# Altium PCB project_pankov_control_board.PcbDoc (part 2 of 2)
Units mm, origin at the board's own origin, x right, y up, seen from the top; angles counter-clockwise.
Board outline 90 x 90 mm, 2 copper layers (Top Layer, Bottom Layer), stack 1.536 mm thick; 103 components, 103 nets, 429 pads, 633 vias.
Unrouted connection lines stored in the file: 47.
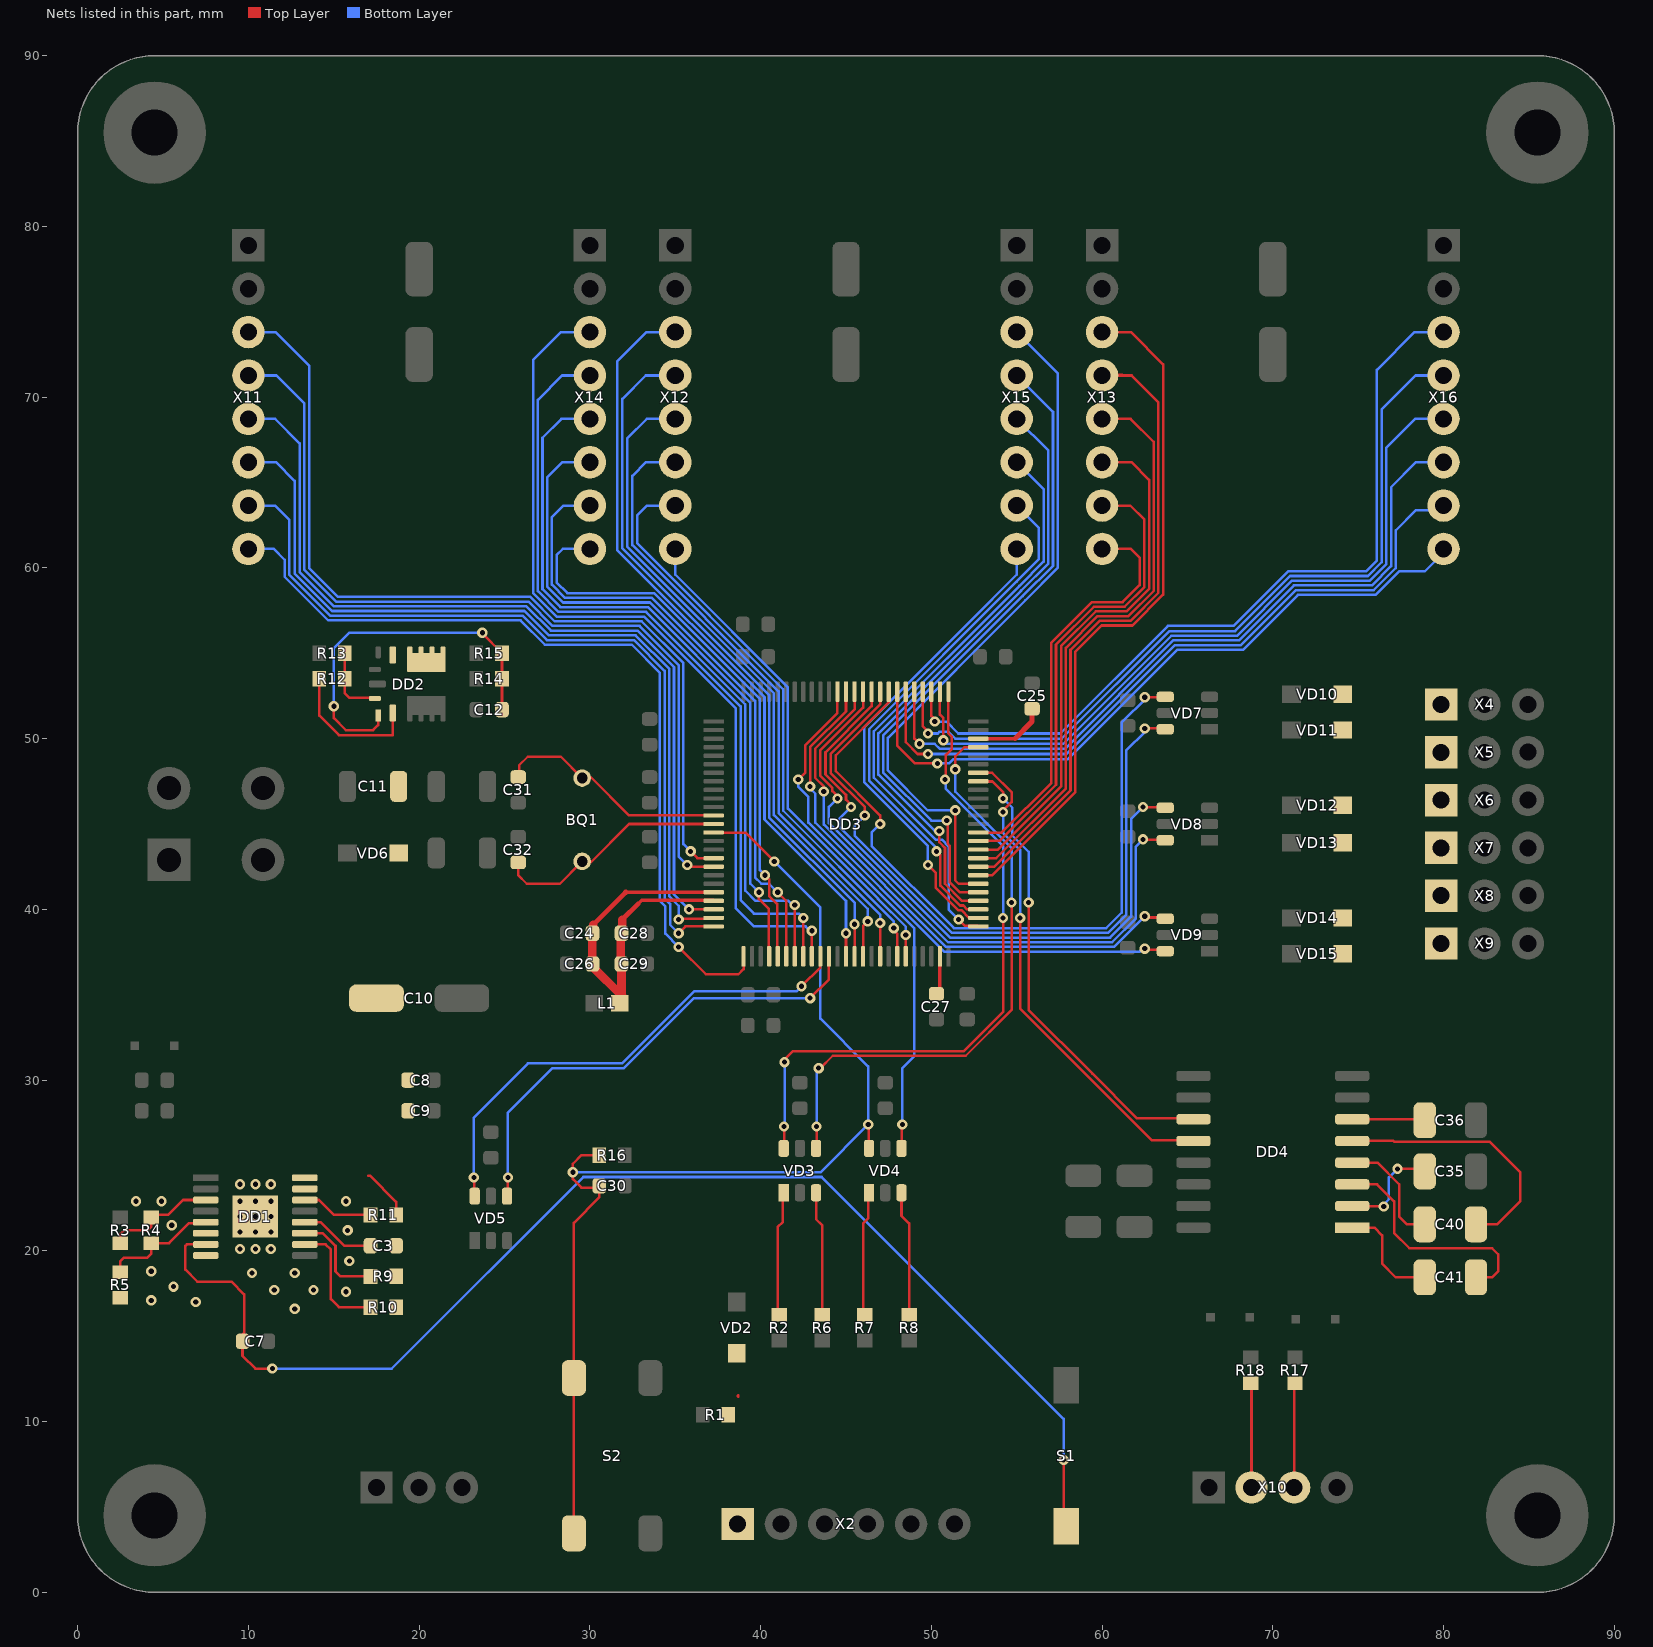
[diagram p2: the nets of this part, all layers, seen from the top]

## Via types
v1: diameter 0.6, hole 0.3, Top Layer to Bottom Layer, tented both sides, 613 vias
v2: diameter 0.6, hole 0.3, Top Layer to Bottom Layer, 20 vias

## Nets (pads, with @x,y where several pads share a name; then routed paths per layer and width w, separated by ;. In a path a pad name is that pad's centre, name@x,y a point inside that pad or via, vN(x,y) a via of type N, cw(c..) or ccw(c..) an arc to the next point about the centre after c; other vN are vias at no path point) (continued)
MCU_DEV1_BIN1: DD3.25 X11.7 | length 48.2
  Top Layer w0.15: v1(35.2,38.6) 35.6,39 DD3.25@37.25,39
  Bottom Layer w0.15: X11.7@10,63.65 11.55,63.65 12.4,62.8 12.4,59.589 14.789,57.2 26.055,57.2 27.48,55.775 32.569,55.775 34.375,53.969 34.375,40.647 34.7,40.322 34.7,39.1 v1(35.2,38.6)
MCU_DEV1_BIN2: DD3.26 X11.8 | length 49.5
  Top Layer w0.15: v1(35.2,37.8) 36.8,36.2 38.7,36.2 39,36.5 DD3.26@39,37.25
  Bottom Layer w0.15: X11.8@10,61.11 11.49,61.11 12.125,60.475 12.125,59.475 14.675,56.925 25.942,56.925 27.367,55.5 32.455,55.5 34.1,53.856 34.1,40.5 34.425,40.175 34.425,38.575 v1(35.2,37.8)
MCU_DEV1_DIR/AIN2: DD3.24 X11.6 | length 49.8
  Top Layer w0.15: v1(35.2,39.4) 35.25,39.45 37.2,39.45 DD3.24@37.25,39.5
  Bottom Layer w0.15: X11.6@10,66.19 11.61,66.19 12.7,65.1 12.7,59.678 14.903,57.475 26.169,57.475 27.594,56.05 32.683,56.05 34.65,54.083 34.65,40.761 35.2,40.211 v1(35.2,39.4)
MCU_DEV1_nFAULT: DD3.33 X14.4 | length 47.2
  Top Layer w0.15: DD3.33@42.5,37.25 v1(42.5,39.5)
  Bottom Layer w0.15: X14.4@30,71.27 28.37,71.27 26.948,69.848 26.948,58.641 28.164,57.425 33.286,57.425 38.825,51.886 38.825,40.536 39.611,39.75 42.25,39.75 v1(42.5,39.5)
MCU_DEV1_nSLEEP: DD3.17 X11.3 | length 53.2
  Top Layer w0.15: v1(35.9,43.4) 36.3,43 DD3.17@37.25,43
  Bottom Layer w0.15: X11.3@10,73.81 11.59,73.81 13.55,71.85 13.55,59.995 15.245,58.3 26.511,58.3 27.936,56.875 33.025,56.875 35.475,54.425 35.475,43.825 v1(35.9,43.4)
MCU_DEV1_nSTALL: DD3.34 X14.3 | length 50.5
  Top Layer w0.15: DD3.34@43,37.25 v1(43,38.75)
  Bottom Layer w0.15: X14.3@30,73.81 28.31,73.81 26.673,72.173 26.673,58.527 28.05,57.15 33.172,57.15 38.55,51.772 38.55,40.061 39.611,39 42.628,39 42.878,38.75 v1(43,38.75)
MCU_DEV1_RESET: DD3.18 X11.4 | length 51.4
  Top Layer w0.15: v1(35.7,42.6) 35.8,42.5 DD3.18@37.25,42.5
  Bottom Layer w0.15: X11.4@10,71.27 11.63,71.27 13.275,69.625 13.275,59.881 15.131,58.025 26.397,58.025 27.822,56.6 32.911,56.6 35.2,54.311 35.2,43.1 v1(35.7,42.6)
MCU_DEV1_STEP/AIN1: DD3.23 X11.5 | length 51.4
  Top Layer w0.15: v1(35.8,40) DD3.23@37.25,40
  Bottom Layer w0.15: X11.5@10,68.73 11.57,68.73 13,67.3 13,59.767 15.017,57.75 26.283,57.75 27.708,56.325 32.797,56.325 34.925,54.197 34.925,40.875 v1(35.8,40)
MCU_DEV2_BIN1: DD3.44 X12.7 | length 34.6
  Top Layer w0.15: v1(47.8,38.9) 47.8,38.778 48,38.578 DD3.44@48,37.25
  Bottom Layer w0.15: X12.7@35,63.65 33.35,63.65 32.764,63.064 32.764,61.447 41.325,52.886 41.325,45.775 47.8,39.3 v1(47.8,38.9)
MCU_DEV2_BIN2: DD3.45 X12.8 | length 29.5
  Top Layer w0.15: DD3.45@48.5,37.25 v1(48.5,38.5)
  Bottom Layer w0.15: X12.8@35,61.11 35,59.6 41.6,53 41.6,45.9 46.875,40.625 46.875,40.614 48.5,38.989 v1(48.5,38.5)
MCU_DEV2_DIR/AIN2: DD3.42 X12.6 | length 37
  Top Layer w0.15: DD3.42@47,37.25 v1(47,39.2)
  Bottom Layer w0.15: X12.6@35,66.19 33.29,66.19 32.489,65.389 32.489,61.333 41.05,52.772 41.05,45.639 47,39.689 v1(47,39.2)
MCU_DEV2_nFAULT: DD3.55 X15.4 | length 38.7
  Top Layer w0.15: v1(50.9,45.2) 50.963,45.137 50.963,43.833 51.075,43.721 51.075,41.614 51.689,41 DD3.55@52.75,41
  Bottom Layer w0.15: v1(50.9,45.2) 50,45.2 47.175,48.025 47.175,50.175 55.35,58.35 57.125,60.125 57.125,69.145 X15.4@55,71.27
MCU_DEV2_nSLEEP: DD3.38 X12.3 | length 44.5
  Top Layer w0.15: DD3.38@45,37.25 v1(45,38.6)
  Bottom Layer w0.15: X12.3@35,73.81 33.31,73.81 31.6,72.1 31.6,61.055 40.225,52.43 40.225,45.275 45,40.5 v1(45,38.6)
MCU_DEV2_nSTALL: DD3.56 X15.3 | length 41.7
  Top Layer w0.15: v1(51.4,45.8) 51.4,41.7 51.6,41.5 DD3.56@52.75,41.5 DD3.56@52.3,41.5
  Bottom Layer w0.15: v1(51.4,45.8) 49.789,45.8 47.45,48.139 47.45,50.05 55.5,58.1 57.4,60 57.4,71.41 X15.3@55,73.81
MCU_DEV2_RESET: DD3.39 X12.4 | length 42
  Top Layer w0.15: DD3.39@45.5,37.25 v1(45.5,39.125)
  Bottom Layer w0.15: X12.4@35,71.27 33.27,71.27 31.9,69.9 31.9,61.144 40.5,52.544 40.5,45.389 45.5,40.389 v1(45.5,39.125)
MCU_DEV2_STEP/AIN1: DD3.40 X12.5 | length 39.6
  Top Layer w0.15: DD3.40@46,37.25 46,39.025 v1(46.275,39.3)
  Bottom Layer w0.15: X12.5@35,68.73 33.33,68.73 32.175,67.575 32.175,61.258 40.775,52.658 40.775,45.525 46.275,40.025 v1(46.275,39.3)
MCU_DEV3_BIN1: DD3.61 X13.7 | length 27.5
  Top Layer w0.15: DD3.61@52.75,44 52.775,44.025 54.025,44.025 57.3,47.3 57.3,55.511 59.514,57.725 61.314,57.725 62.475,58.886 62.475,62.825 61.65,63.65 X13.7@60,63.65
MCU_DEV3_BIN2: DD3.62 X13.8 | length 24.3
  Top Layer w0.15: DD3.62@52.75,44.5 54.111,44.5 57.025,47.414 57.025,55.625 59.4,58 61.2,58 62.2,59 62.2,60.6 61.69,61.11 X13.8@60,61.11
MCU_DEV3_DIR/AIN2: DD3.60 X13.6 | length 30.7
  Top Layer w0.15: DD3.60@52.75,43.5 53.9,43.5 57.6,47.2 57.6,55.422 59.628,57.45 61.428,57.45 62.75,58.772 62.75,65.15 61.71,66.19 X13.6@60,66.19
MCU_DEV3_nFAULT: DD3.81 X16.7 | length 42.1
  Top Layer w0.15: DD3.81@48.5,52.75 48.5,49.793 49.193,49.1 v1(49.8,49.1)
  Bottom Layer w0.15: v1(49.8,49.1) 57.904,49.1 64.279,55.475 68.131,55.475 71.356,58.7 75.911,58.7 77.2,59.989 77.2,62.2 78.389,63.389 79.739,63.389 X16.7@80,63.65
MCU_DEV3_nSLEEP: DD3.57 X13.3 | length 40.3
  Top Layer w0.15: DD3.57@52.75,42 53.578,42 58.425,46.847 58.425,55.08 59.97,56.625 61.77,56.625 63.575,58.43 63.575,71.925 61.69,73.81 X13.3@60,73.81
MCU_DEV3_nSTALL: DD3.82 X16.8 | length 40.9
  Top Layer w0.15: DD3.82@48,52.75 48,49.6 49.05,48.55 v1(50.35,48.55)
  Bottom Layer w0.15: v1(50.35,48.55) 51.043,48.55 51.293,48.8 57.993,48.8 64.393,55.2 68.245,55.2 71.47,58.425 76.025,58.425 77.4,59.8 78.9,59.8 80,60.9 X16.8@80,61.11
MCU_DEV3_RESET: DD3.58 X13.4 | length 38.3
  Top Layer w0.15: DD3.58@52.75,42.5 53.689,42.5 58.15,46.961 58.15,55.194 59.856,56.9 61.656,56.9 63.3,58.544 63.3,69.7 61.73,71.27 X13.4@60,71.27 ; X13.4@60,71.3 61.19,71.3
MCU_DEV3_STEP/AIN1: DD3.59 X13.5 | length 33.9
  Top Layer w0.15: DD3.59@52.75,43 53.8,43 57.875,47.075 57.875,55.308 59.742,57.175 61.542,57.175 63.025,58.658 63.025,67.375 61.67,68.73 X13.5@60,68.73
MCU_LIMSW_XMAX: DD3.84 VD7.6 | length 42
  Top Layer w0.15: v1(46.1,45.5) 46.1,45.996 44.1,47.996 44.1,49.111 47,52.011 DD3.84@47,52.75 ; v1(62.5,50.6) 63.65,50.6 VD7.6@63.7,50.55
  Bottom Layer w0.15: v1(46.1,45.5) 45.5,44.9 45.5,44.333 51.208,38.625 60.358,38.625 61.422,39.689 61.422,49.322 62.5,50.4 v1(62.5,50.6)
MCU_LIMSW_XMIN: DD3.83 VD7.4 | length 42.9
  Top Layer w0.15: v1(47,45) 47,45.5 44.4,48.1 44.4,49.022 47.5,52.122 DD3.83@47.5,52.75 ; v1@62.622,52.422 62.625,52.425 63.675,52.425 VD7.4@63.7,52.45
  Bottom Layer w0.15: v1(47,45) 46.5,44.5 46.5,43.722 51.322,38.9 60.244,38.9 61.147,39.803 61.147,50.947 v1@62.622,52.422
  other v1: 62.5,52.422
MCU_LIMSW_YMAX: DD3.86 VD8.6 | length 36.9
  Top Layer w0.15: v1(44.5,46.5) 44.5,46.622 44.2,46.922 44.2,47.118 43.5,47.818 43.5,49.322 46,51.822 DD3.86@46,52.75 ; v1(62.4,44.1) 62.425,44.075 63.675,44.075 VD8.6@63.7,44.05
  Bottom Layer w0.15: v1(44.5,46.5) 44,46 44,45.056 50.981,38.075 60.586,38.075 61.975,39.464 61.975,43.675 v1(62.4,44.1)
MCU_LIMSW_YMIN: DD3.85 VD8.4 | length 38.3
  Top Layer w0.15: v1(45.3,46) 45.3,46.122 45,46.422 45,46.707 43.8,47.907 43.8,49.2 46.5,51.9 DD3.85@46.5,52.75 ; v1(62.4,46) 62.425,45.975 63.675,45.975 VD8.4@63.7,45.95
  Bottom Layer w0.15: v1(45.3,46) 44.6,45.3 44.6,44.845 51.095,38.35 60.472,38.35 61.7,39.578 61.7,45.3 v1(62.4,46)
MCU_LIMSW_ZMAX: DD3.88 VD9.6 | length 32.5
  Top Layer w0.15: v1(42.9,47.2) 42.9,49.5 45,51.6 DD3.88@45,52.75 ; v1@62.525,37.725 v1(62.5,37.7) 62.575,37.625 63.625,37.625 VD9.6@63.7,37.55
  Bottom Layer w0.15: v1(42.9,47.2) 42.9,47.078 43.2,46.778 43.2,45.078 50.753,37.525 62.203,37.525 62.378,37.7 v1(62.5,37.7)
MCU_LIMSW_ZMIN: DD3.87 VD9.4 | length 32.7
  Top Layer w0.15: v1(43.7,46.9) 43.7,47.2 43.2,47.7 43.2,49.411 45.5,51.711 DD3.87@45.5,52.75 ; v1(62.5,39.6) 62.575,39.525 63.625,39.525 VD9.4@63.7,39.45
  Bottom Layer w0.15: v1(43.7,46.9) 43.7,44.967 50.867,37.8 60.7,37.8 v1(62.5,39.6)
MCU_nINT: DD3.35 VD5.6 | length 29.2
  Top Layer w0.15: v1(23.2,24.3) 23.225,24.275 23.225,23.225 VD5.6@23.25,23.2 ; v1(42.4,35.5) 43.5,36.6 DD3.35@43.5,37.25
  Bottom Layer w0.15: v1(23.2,24.3) 23.2,27.8 26.375,30.975 31.875,30.975 36.1,35.2 42.1,35.2 v1(42.4,35.5)
MCU_nKILL: DD3.36 VD5.4 | length 28.3
  Top Layer w0.15: VD5.4@25.15,23.2 25.175,23.225 25.175,24.275 v1(25.2,24.3) ; v1(42.9,34.8) 44,35.9 DD3.36@44,37.25
  Bottom Layer w0.15: v1(25.2,24.3) 25.2,28.1 27.8,30.7 31.989,30.7 36.089,34.8 v1(42.9,34.8)
MCU_nRST: C30.1 DD3.14 R16.1 S2.1 VD4.6 | length 67.2
  Top Layer w0.15: S2.1@29.06,3.45 S2.1@29.06,12.55 29.06,21.64 30.545,23.125 C30.1@30.545,23.795 ; C30.1@30.55,23.8 C30.1@30.545,23.795 ; R16.1@30.55,25.6 29.5,25.6 29,25.1 v1(29,24.6) 29,24.2 29.5,23.7 30.45,23.7 C30.1@30.545,23.795 ; DD3.14@37.25,44.5 39.1,44.5 v1(40.8,42.8) ; v1(46.3,27.4) 46.325,27.375 46.325,26.025 VD4.6@46.35,26
  Bottom Layer w0.15: v1(29,24.6) 43.5,24.6 v1(46.3,27.4) 46.3,30.8 43.5,33.6 43.5,40.1 v1(40.8,42.8)
MCU_SPI1_MISO: DD3.31 X14.7 | length 37.2
  Top Layer w0.15: v1(41,41) 41.5,40.5 DD3.31@41.5,37.25
  Bottom Layer w0.15: X14.7@30,63.65 28.45,63.65 27.773,62.973 27.773,59.027 28.55,58.25 33.628,58.25 39.675,52.203 39.675,41.868 40.043,41.5 40.5,41.5 v1(41,41)
MCU_SPI1_MOSI: DD3.32 X14.5 | length 43.9
  Top Layer w0.15: DD3.32@42,37.25 v1(42,40.25)
  Bottom Layer w0.15: X14.5@30,68.73 28.33,68.73 27.223,67.623 27.223,58.755 28.278,57.7 33.4,57.7 39.1,52 39.1,41.093 39.693,40.5 40.107,40.5 41.628,40.5 41.878,40.25 v1(42,40.25)
MCU_SPI1_NSS: DD3.29 X14.6 | length 39.3
  Top Layer w0.15: v1(39.9,41) 39.9,40.6 40.487,40.013 40.487,37.263 DD3.29@40.5,37.25
  Bottom Layer w0.15: X14.6@30,66.19 28.39,66.19 27.498,65.298 27.498,58.902 28.425,57.975 33.514,57.975 39.4,52.089 39.4,41.5 v1(39.9,41)
MCU_SPI1_SCK: DD3.30 X14.8 | length 33.9
  Top Layer w0.15: v1(40.25,42) 40.5,41.75 40.5,40.793 40.968,40.325 40.968,37.282 DD3.30@41,37.25
  Bottom Layer w0.15: X14.8@30,61.11 28.41,61.11 28.048,60.748 28.048,59.152 28.675,58.525 30.22,58.525 33.742,58.525 39.95,52.317 39.95,42.3 v1(40.25,42)
MCU_SPI2_MISO: DD3.53 X15.7 | length 31.5
  Top Layer w0.15: v1(50.3,43.4) 50.525,43.175 50.525,41.386 51.686,40.225 51.871,40.225 52.096,40 DD3.53@52.75,40
  Bottom Layer w0.15: v1(50.3,43.4) 50.3,43.6 46.35,47.55 46.35,50.55 55,59.2 55,59.211 56.3,60.511 56.3,62.35 X15.7@55,63.65
MCU_SPI2_MOSI: DD3.54 X15.5 | length 36.2
  Top Layer w0.15: v1(50.463,44.588) 50.463,43.944 50.8,43.607 50.8,41.5 51.8,40.5 DD3.54@52.75,40.5
  Bottom Layer w0.15: v1(50.463,44.588) 50.212,44.588 46.9,47.9 46.9,50.311 48.103,51.514 55.244,58.656 55.264,58.675 56.85,60.261 56.85,66.88 X15.5@55,68.73
MCU_SPI2_NSS: DD3.51 X15.6 | length 35.1
  Top Layer w0.15: v1(51.6,39.4) 51.971,39.029 52.721,39.029 DD3.51@52.75,39
  Bottom Layer w0.15: v1(51.6,39.4) 51.011,39.99 51.011,43.69 50.612,44.088 50.256,44.088 46.625,47.719 46.625,50.425 55.15,58.95 56.575,60.375 56.575,64.615 X15.6@55,66.19
MCU_SPI2_SCK: DD3.52 X15.8 | length 28.5
  Top Layer w0.15: v1(49.8,42.6) 50.25,42.15 50.25,41.272 51.572,39.95 51.757,39.95 52.207,39.5 DD3.52@52.75,39.5
  Bottom Layer w0.15: v1(49.8,42.6) 49.8,43.711 46.075,47.436 46.075,50.675 52.169,56.769 55,59.6 X15.8@55,61.11
MCU_SPI3_MISO: DD3.79 X16.4 | length 47
  Top Layer w0.15: DD3.79@49.5,52.75 49.5,50.722 49.8,50.422 v1(49.8,50.3)
  Bottom Layer w0.15: v1(49.8,50.3) 50.364,50.3 50.464,50.4 51,50.4 51.4,50 57.637,50 63.937,56.3 67.789,56.3 71.014,59.525 75.569,59.525 76.375,60.331 76.375,69.275 78.37,71.27 X16.4@80,71.27
MCU_SPI3_MOSI: DD3.80 X16.6 | length 43.7
  Top Layer w0.15: DD3.80@49,52.75 49,50 v1(49.3,49.7)
  Bottom Layer w0.15: v1(49.3,49.7) 50.193,49.7 50.493,49.4 57.815,49.4 64.165,55.75 68.017,55.75 71.242,58.975 75.797,58.975 76.925,60.103 76.925,64.725 78.39,66.19 X16.6@80,66.19
MCU_SPI3_NSS: DD3.77 X16.5 | length 44.2
  Top Layer w0.15: DD3.77@50.5,52.75 50.5,51.411 50.7,51.211 v1(50.7,49.9)
  Bottom Layer w0.15: v1(50.7,49.9) 50.9,49.7 57.726,49.7 64.051,56.025 67.903,56.025 71.128,59.25 75.683,59.25 76.3,59.867 76.65,60.217 76.65,67.05 78.33,68.73 X16.5@80,68.73
MCU_SPI3_SCK: DD3.78 X16.3 | length 48.2
  Top Layer w0.15: DD3.78@50,52.75 50,51.322 50.2,51.122 v1(50.2,51)
  Bottom Layer w0.15: v1(50.2,51) 50.875,51 51.575,50.3 57.548,50.3 63.848,56.6 67.7,56.6 70.9,59.8 75.455,59.8 76.1,60.445 76.1,71.6 78.31,73.81 X16.3@80,73.81
MCU_SWCLK: DD3.76 VD3.6 | length 39.6
  Top Layer w0.15: VD3.6@41.35,26 41.375,26.025 v1(41.375,27.275) ; v1(41.4,31.05) 41.4,31.2 41.9,31.7 51.9,31.7 54.2,34 v1(54.2,39.5) ; v1(50.8,47.6) 50.85,47.65 50.85,49.05 51.2,49.4 51.2,50.107 51,50.307 DD3.76@51,52.75
  Bottom Layer w0.15: v1(41.375,27.275) 41.4,27.3 v1(41.4,31.05) ; v1(50.8,47.6) 50.832,47.568 50.832,47.075 54.2,43.707 v1(54.2,39.5)
MCU_SWDIO: DD3.72 VD3.4 | length 35.3
  Top Layer w0.15: VD3.4@43.25,26 43.275,26.025 v1(43.275,27.275) ; v1(43.4,30.7) 43.5,30.7 44.225,31.425 52.014,31.425 54.7,34.111 v1(54.7,40.4) ; v1(51.4,48.2) 51.4,48.965 51.925,49.491 52.741,49.491 DD3.72@52.75,49.5
  Bottom Layer w0.15: v1(43.275,27.275) 43.275,30.575 v1(43.4,30.7) ; v1(51.4,48.2) 51.4,46.896 54.7,43.596 v1(54.7,40.4)
MCU_SWO: DD3.89 VD4.4 | length 30.8
  Top Layer w0.15: v1(42.2,47.6) 42.625,48.025 42.625,49.625 44.5,51.5 DD3.89@44.5,52.75 ; VD4.4@48.25,26 48.275,26.025 48.275,27.375 v1(48.3,27.4)
  Bottom Layer w0.15: v1(42.2,47.6) 42.2,47.193 42.8,46.593 42.8,45.089 49,38.889 49,31.4 48.3,30.7 v1(48.3,27.4)
MCU_USART1_RX: DD3.69 DD4.12 | length 29
  Top Layer w0.15: DD3.69@52.75,48 53.566,48 54.7,46.866 54.7,46.289 54.2,45.789 v1(54.2,45.7) ; v1(55.2,39.5) 55.2,34.2 62.925,26.475 65.21,26.475 DD4.12@65.25,26.435
  Bottom Layer w0.15: v1(54.2,45.7) 54.2,44.485 55.2,43.485 v1(55.2,39.5)
MCU_USART1_TX: DD3.68 DD4.11 | length 27.3
  Top Layer w0.15: DD3.68@52.75,47.5 52.759,47.491 53.575,47.491 54.2,46.866 v1(54.2,46.5) ; v1(55.7,40.4) 55.7,34.1 59.425,30.375 62.025,27.775 65.18,27.775 DD4.11@65.25,27.705
  Bottom Layer w0.15: v1(54.2,46.5) 54.737,45.963 54.737,44.337 55.7,43.374 v1(55.7,40.4)
NetBQ1_1: BQ1.1 C32.2 DD3.13 | length 14.2
  Top Layer w0.15: C32.2@25.8,42.75 25.8,42 26.3,41.5 28.24,41.5 BQ1.1@29.49,42.75 ; BQ1.1@29.55,42.56 BQ1.1@29.74,42.75 ; BQ1.1@29.55,42.81 BQ1.1@29.49,42.75 ; DD3.13@37.25,45 32.3,45 30.05,42.75 BQ1.1@29.74,42.75 ; BQ1.1@29.49,42.75 BQ1.1@29.74,42.75
NetBQ1_2: BQ1.2 C31.2 DD3.12 | length 14.4
  Top Layer w0.15: C31.2@25.86,47.69 25.86,48.44 26.36,48.94 28.3,48.94 BQ1.2@29.55,47.69 ; BQ1.2@29.24,47.75 30.05,47.75 32.3,45.5 DD3.12@37.25,45.5 ; BQ1.2@29.55,47.94 BQ1.2@29.74,47.75
NetC3_1: C3.1 DD1.12 | length 4.4
  Top Layer w0.15: DD1.12@13.3,21.675 14.225,21.675 15.6,20.3 15.75,20.3 C3.1@17.15,20.3
NetC7_1: C7.1 DD1.7 S1.1 | length 75.6
  Top Layer w0.15: DD1.7@7.5,20.375 6.388,20.375 6.3,20.287 6.3,18.9 7,18.2 9,18.2 9.75,17.45 9.75,15.2 9.65,15.1 9.65,13.85 10.4,13.1 v1(11.4,13.1) ; v1(57.75,7.75) 57.75,4.025 S1.1@57.9,3.875
  Bottom Layer w0.15: v1(11.4,13.1) 18.393,13.1 29.618,24.325 43.575,24.325 57.75,10.15 v1(57.75,7.75)
NetC12_2: C12.2 DD2.1 R14.1 R15.2 | length 21.7
  Top Layer w0.15: v1(15,51.9) 15,51.2 15.7,50.5 17.3,50.5 17.6,50.8 DD2.1@17.6,51.35 ; v1(23.7,56.2) 23.7,56.15 R15.2@24.85,55 R14.1@24.85,53.5 C12.2@24.85,51.7
  Bottom Layer w0.15: v1(15,51.9) 15,55.3 15.9,56.2 v1(23.7,56.2)
NetC24_1: C24.1 C26.1 C28.1 C29.1 DD3.21 DD3.22 L1.1 | length 22.7
  Top Layer w0.15: C24.1@30.15,38.6 C24.1@30.2,38.65
  Top Layer w0.2: 32.1,41 DD3.21@37.25,41 ; 32.825,40.325 33.025,40.525 37.225,40.525 DD3.22@37.25,40.5
  Top Layer w0.3: 30.2,39.1 32.1,41 ; 31.9,39.4 32.825,40.325
  Top Layer w0.5: C26.1@30.15,36.8 C24.1@30.15,38.6 ; C26.1@30.2,36.6 31.85,34.95 C29.1@31.85,36.8 ; C24.1@30.2,38.65 30.2,39.1 ; C29.1@31.8,36.75 C28.1@31.8,38.25 ; C28.1@31.9,38.75 31.9,39.4 ; L1.1@31.94,34.5 L1.1@31.94,34.86
NetC25_1: C25.1 DD3.73 | length 4.3
  Top Layer w0.2: DD3.73@52.75,50 54.9,50
  Top Layer w0.3: 54.9,50 55.9,51 C25.1@55.9,51.75
NetC27_1: C27.1 DD3.49 | length 2.1
  Top Layer w0.2: C27.1@50.5,35.15 DD3.49@50.5,37.25
NetC35_1: C35.1 DD4.2 | length 6.1
  Top Layer w0.15: DD4.2@74.65,22.625 74.663,22.613 76.488,22.613 v1(76.5,22.6) ; v1(77.3,24.8) 78.75,24.8 C35.1@78.9,24.65
  Bottom Layer w0.15: v1(76.5,22.6) 76.5,22.722 76.8,23.022 76.8,24.3 v1(77.3,24.8)
NetC36_1: C36.1 DD4.6 | length 4.3
  Top Layer w0.15: DD4.6@74.65,27.705 78.845,27.705 C36.1@78.9,27.65
NetC40_1: C40.1 DD4.4 | length 6.9
  Top Layer w0.15: DD4.4@74.65,25.165 76.135,25.165 77.4,23.9 77.4,22 77.85,21.55 C40.1@78.9,21.55
NetC40_2: C40.2 DD4.5 | length 15.5
  Top Layer w0.15: DD4.5@74.65,26.435 77.065,26.435 77.1,26.4 82.7,26.4 84.5,24.6 84.5,22.92 83.13,21.55 C40.2@81.9,21.55
NetC41_1: C41.1 DD4.1 | length 6.4
  Top Layer w0.15: DD4.1@74.65,21.355 75.945,21.355 76.4,20.9 76.4,19.25 77.2,18.45 C41.1@78.9,18.45
NetC41_2: C41.2 DD4.3 | length 13.8
  Top Layer w0.15: DD4.3@74.65,23.895 76.105,23.895 77.1,22.9 77.1,21.05 78,20.15 82.85,20.15 83.2,19.8 83.2,18.8 82.85,18.45 C41.2@81.9,18.45
NetDD1_3: DD1.3 R3.1 R4.2 | length 6.7
  Top Layer w0.15: R3.1@2.5,20.45 2.5,21 2.7,21.2 4.1,21.2 4.3,21.4 R4.2@4.3,21.95 4.45,22.1 5.3,22.1 6.175,22.975 DD1.3@7.5,22.975
NetDD1_5: DD1.5 R4.1 R5.2 | length 7
  Top Layer w0.15: R5.2@2.5,18.75 2.5,19.4 2.7,19.6 4.075,19.6 4.3,19.825 R4.1@4.3,20.45 5.35,20.45 6.525,21.625 7.45,21.625 DD1.5@7.5,21.675
NetDD1_10: DD1.10 R10.2 | length 7.1
  Top Layer w0.15: DD1.10@13.3,20.375 14.525,20.375 14.825,20.075 14.825,17.175 15.3,16.7 R10.2@17.15,16.7
NetDD1_11: DD1.11 R9.2 | length 5.8
  Top Layer w0.15: DD1.11@13.3,21.025 14.364,21.025 15.1,20.289 15.1,18.8 15.4,18.5 R9.2@17.15,18.5
NetDD1_14: DD1.14 R11.1 | length 4.2
  Top Layer w0.15: DD1.14@13.3,22.975 14.125,22.975 15,22.1 R11.1@17.15,22.1
NetDD2_4: DD2.4 DD2.5
NetDD2_9: DD2.9 R12.1 R13.2 | length 4.2
  Top Layer w0.15: R13.2@15.65,55 R12.1@15.65,53.5 15.65,52.65 15.9,52.4 17.35,52.4 DD2.9@17.4,52.35
NetR1_2: R1.2 VD2.1 X2.1 | length 0.1
  Top Layer w0.15: 38.695,11.46 38.655,11.5 38.695,11.54
NetR2_2: R2.2 VD3.1 | length 7.3
  Top Layer w0.15: R2.2@41,16.25 41,21.4 41.3,21.7 41.3,23.35 VD3.1@41.35,23.4
NetR6_2: R6.2 VD3.3 | length 7.2
  Top Layer w0.15: VD3.3@43.25,23.4 43.25,21.85 43.6,21.5 R6.2@43.6,16.35
NetR7_2: R7.2 VD4.1 | length 7.3
  Top Layer w0.15: R7.2@46,16.25 46,21.6 46.3,21.9 46.3,23.35 VD4.1@46.35,23.4
NetR8_2: R8.2 VD4.3 | length 7.3
  Top Layer w0.15: VD4.3@48.25,23.4 48.25,22.05 48.7,21.6 R8.2@48.7,16.25
NetR17_1: R17.1 X10.3 | length 6.1
  Top Layer w0.15: X10.3@71.25,6.138 71.25,12.2 R17.1@71.3,12.25
NetR18_1: R18.1 X10.2 | length 6.1
  Top Layer w0.15: R18.1@68.7,12.25 68.75,12.2 X10.2@68.75,6.138
NetVD10_1: VD10.1 X4.1 | length 0
NetVD11_1: VD11.1 X5.1
NetVD12_1: VD12.1 X6.1
NetVD13_1: VD13.1 X7.1
NetVD14_1: VD14.1 X8.1
NetVD15_1: VD15.1 X9.1
RTN: C3.2 DD1.0 DD1.6 DD1.8 R5.1 R9.1 R10.1
  other v1: 12.71,16.6 6.91,17 4.31,17.1 15.71,17.6 11.51,17.7 13.81,17.7 5.61,17.9 10.21,18.7 12.71,18.7 4.31,18.8 15.91,19.4 15.81,21.2 5.51,21.5 3.41,22.9 4.91,22.9 15.71,22.9
  other v2: 9.51,20.1 10.41,20.1 11.31,20.1 9.51,21.1 10.41,21.1 11.31,21.1 9.51,22 10.4,22 11.31,22 9.51,22.9 10.41,22.9 11.31,22.9 9.51,23.9 10.41,23.9 11.31,23.9
VIN: C8.1 C9.1 C10.1 C11.1 DD1.15 DD1.16 DD2.2 R11.2 R12.2 VD6.1 | length 11.3
  Top Layer w0.15: R12.2@14.15,53.5 14.15,51.35 15.3,50.2 18.45,50.2 DD2.2@18.45,51.5 ; 17.01,24.4 17.11,24.4 18.65,22.86 R11.2@18.65,22.1
pads on no net: DD1.4 DD1.13 DD2.6 DD2.7 DD3.1 DD3.2 DD3.3 DD3.4 DD3.5 DD3.7 DD3.8 DD3.9 DD3.15 DD3.16 DD3.37 DD3.41 DD3.43 DD3.46 DD3.47 DD3.48 DD3.63 DD3.64 DD3.65 DD3.66 DD3.67 DD3.70 DD3.71 DD3.90 DD3.91 DD3.92 DD3.93 DD3.95 DD3.96 DD3.97 DD3.98 DD4.7 DD4.8 DD4.9 DD4.10

## Polygon pours and split planes (outlines as drawn)
+3,3V on Top Layer "+3,3V_L01_P256" (solid, pour order 256): 32,43.7 32,41.7 34.4,41.7 36.1,41.7 37.7,41.7 38.1,42.1 38.1,42.415 36.4,42.4 35.389,42.411 34.1,43.7
VIN on Top Layer "VIN_L01_P420" (solid, pour order 420): 12.51,23.3 18.4,23.3 20.11,25.01 20.11,52.6 17.81,52.6 17.81,27.8 15.61,25.6 13.11,25.6 12.51,25
+3,3V on Top Layer "+3,3V_L01_P308" (solid, pour order 308): 36.212,28.9 38.6,28.9 41.5,31.8 41.5,35.7 41.2,36 40.6,36 40.3,36.3 40.3,38 39.85,38 39.85,35.45 39.85,32.766
RTN on Top Layer "RTN_L01_P202" (solid, pour order 202): 1.6,23.1 1.6,15.9 19.4,15.9 19.4,23.1
+3,3V on Top Layer "+3,3V_L01_P226" (solid, pour order 226): 21.333,40.167 28.6,32.9 31.3,32.9 31.3,35.5 29.2,35.5 21.867,42.833
GND on Top Layer "GND_L01_P424" (solid, pour order 424): 7.7,55.5 25.1,55.5 25.1,15.3 0,15.3 0,40 7.7,40
+3,3V on Top Layer "+3,3V_L01_P316" (solid, pour order 316): 46.5,29.1 46.5,25.3 48.1,25.3 48.1,29.1
+3,3V on Top Layer "+3,3V_L01_P314" (solid, pour order 314): 41.375,29.1 41.375,25.3 43.1,25.3 43.1,29.1
GND on Top Layer "GND_L01_P430" (solid, pour order 430): 7.7,55.7 7.7,73.6 9.1,75 12.4,75 17.4,70 22.6,70 27.6,75 37.4,75 42.4,70 47.6,70 52.6,75 62.4,75 67.4,70 72.6,70 77.6,75 90,75 90,0 0,0 0,15.7 25.1,15.7 25.1,30.097 25.3,30.297 25.3,30.2 25.3,55.7
+24V on Top Layer "+24V_L01_P450" (solid, pour order 450): 70,74.83 71.6,76.43 71.6,81.42 68.25,81.42 68.25,79.18 67.7,78.63 66.437,78.63 64.647,80.42 58.5,80.42 58.5,77.42 63.9,77.42 66.49,74.83
+24V on Top Layer "+24V_L01_P458" (solid, pour order 458): 20,74.83 21.6,76.43 21.6,81.42 18.25,81.42 18.25,79.18 17.7,78.63 16.437,78.63 14.647,80.42 8.5,80.42 8.5,77.42 13.9,77.42 16.49,74.83
+24V on Top Layer "+24V_L01_P456" (solid, pour order 456): 45,74.83 46.6,76.43 46.6,81.42 43.25,81.42 43.25,79.18 42.7,78.63 41.437,78.63 39.647,80.42 33.5,80.42 33.5,77.42 38.9,77.42 41.49,74.83
+3,3V on Top Layer "+3,3V_L01_P454" (solid, pour order 454): 56.6,80.32 56.6,77.49 51.5,77.49 51.5,79.24 52.58,80.32
+3,3V on Top Layer "+3,3V_L01_P452" (solid, pour order 452): 78.4,80.32 78.4,77.49 83.5,77.49 83.5,79.24 82.42,80.32
+3,3V on Top Layer "+3,3V_L01_P448" (solid, pour order 448): 31.5,80.32 31.5,77.49 23.001,77.49 23.001,79.24 24.081,80.32
GND on Top Layer "GND_L01_P446" (solid, pour order 446): 90,75.25 77.5,75.25 72.5,70.25 69.1,70.25 69.1,90 90,90
GND on Top Layer "GND_L01_P444" (solid, pour order 444): 50,75.25 62.5,75.25 67.5,70.25 70.9,70.25 70.9,80.7 50,80.7
GND on Top Layer "GND_L01_P442" (solid, pour order 442): 65,75.25 52.5,75.25 47.5,70.25 44.1,70.25 44.1,80.7 65,80.7
GND on Top Layer "GND_L01_P440" (solid, pour order 440): 25,75.25 37.5,75.25 42.5,70.25 45.9,70.25 45.9,80.7 25,80.7
GND on Top Layer "GND_L01_P438" (solid, pour order 438): 40,75.25 27.5,75.25 22.5,70.25 19.1,70.25 19.1,80.7 40,80.7
GND on Top Layer "GND_L01_P436" (solid, pour order 436): 7.775,74.025 9,75.25 12.5,75.25 17.5,70.25 20.9,70.25 20.9,80.7 7.775,80.7
+24V on Top Layer "+24V_L01_P418" (solid, pour order 418): 0.01,44.2 0.01,25.3 2.1,23.21 8.21,23.21 8.21,25 7.61,25.6 6.1,25.6 4.41,27.29 4.41,44.2
+24V on Top Layer "+24V_L01_P348" (solid, pour order 348): 0,90 71.6,90 71.6,80.6 0,80.6
+3,3V on Top Layer "+3,3V_L01_P224" (solid, pour order 224): 58.8,35.2 58.8,55 59.6,55.8 60.6,54.8 60.6,35.2
RTN on Top Layer "RTN_L01_P324" (solid, pour order 324): 7.61,25.6 13.11,25.6 12.32,24.81 12.32,23.114 12.334,23.1 8.51,23.1 8.51,24.7
+3,3V on Top Layer "+3,3V_L01_P318" (solid, pour order 318): 37.5,15.75 39.6,15.75 39.6,25.2 35.7,29.1 32.45,29.1 37.5,24.05
+3,3V on Top Layer "+3,3V_L01_P312" (solid, pour order 312): 51.047,57.653 52.3,56.4 52.3,51.7 52,51.4 52,50.5 53.3,50.5 53.7,50.9 53.7,57.2 52.645,58.079
+3,3V on Top Layer "+3,3V_L01_P310" (solid, pour order 310): 38.1,58.3 38.1,52.5 38.6,52 39.3,52 39.3,58.3
NetVD10_1 on Top Layer "NETVD10_1_L01_P282" (solid, pour order 282): 73.1,53.7 73.1,51.6 76.3,51.6 76.975,50.925 81.3,50.925 81.3,53.4 76.314,53.4 75.971,53.7
NetVD11_1 on Top Layer "NETVD11_1_L01_P280" (solid, pour order 280): 73.1,51.4 73.1,49.55 74.1,49.55 75.501,48.025 81.3,48.025 81.3,50.7 76.971,50.7 76.271,51.4
NetVD14_1 on Top Layer "NETVD14_1_L01_P278" (solid, pour order 278): 73.1,38.35 73.1,40.45 73.95,40.45 75.8,42.3 81.3,42.3 81.3,39.6 77.021,39.6 75.593,38.35
NetVD15_1 on Top Layer "NETVD15_1_L01_P276" (solid, pour order 276): 73.107,36.35 73.107,38.45 75.407,38.45 76.607,39.65 81.3,39.65 81.3,36.6 76.264,36.6 75.979,36.35
+24V on Top Layer "+24V_L01_P274" (solid, pour order 274): 0,40 8.3,40 8.3,90 0,90
NetR1_2 on Top Layer "NETR1_2_L01_P264" (solid, pour order 264): 40.135,15.1 37.135,15.1 37.135,2.25 40.135,2.25
NetDD2_4 on Top Layer "NETDD2_4_L01_P262" (solid, pour order 262): 18.2,55.8 18.2,53.9 22,53.9 22,55.8
+3,3V on Top Layer "+3,3V_L01_P260" (solid, pour order 260): 70,53.3 70,36.6 72.5,36.6 72.5,54.2 70.9,54.2
+3,3V on Top Layer "+3,3V_L01_P254" (solid, pour order 254): 32.1,47.2 32.1,45.7 35.1,45.7 36.4,45.7 38.1,45.7 38.1,46.1 37.8,46.4 35.1,46.4 34.3,47.2
+3,3V on Top Layer "+3,3V_L01_P250" (solid, pour order 250): 38.4,59.25 38.4,57.2 55.75,57.2 55.75,59.25
VIN on Top Layer "VIN_L01_P246" (solid, pour order 246): 15.2,36.4 15.2,33.2 19.6,33.2 19.6,36.4
+3,3V on Top Layer "+3,3V_L01_P222" (solid, pour order 222): 51.4,34.3 53.4,34.3 53.4,35.9 52.1,35.9 51.6,36.4 51.6,38 50.8,38 50.8,34.9
+3,3V on Top Layer "+3,3V_L01_P218" (solid, pour order 218): 51.1,29.3 27,29.3 26.5,28.8 26.5,27.6 51.1,27.6
+3,3V on Top Layer "+3,3V_L01_P216" (solid, pour order 216): 27.657,33.843 32.857,28.643 36.017,28.643 36.017,28.783 30.132,34.668
+3,3V on Top Layer "+3,3V_L01_P214" (solid, pour order 214): 26.8,29.1 23.4,25.7 23.4,25.1 24,24.5 24.6,24.5 28.1,28 28,29.1
+3,3V on Top Layer "+3,3V_L01_P212" (solid, pour order 212): 55.5,22.19 55.5,21.8 57.37,19.93 65.52,19.93 66.42,20.93 66.42,22.19
+3,3V on Top Layer "+3,3V_L01_P196" (solid, pour order 196): 19.6,52.8 22.1,52.8 22.1,39.4 19.6,41.9
NetVD12_1 on Top Layer "NETVD12_1_L01_P190" (solid, pour order 190): 72.8,45 72.8,47.85 81.3,47.85 81.3,45
NetVD13_1 on Top Layer "NETVD13_1_L01_P188" (solid, pour order 188): 72.8,42.4 72.8,45 81.3,45 81.3,42.4
+3,3V on Top Layer "+3,3V_L01_P186" (solid, pour order 186): 72.5,36.6 70.5,34.6 59.4,34.6 58.8,35.2 58.8,36.4 69,36.4 70,37.4
no net on Top Layer "NONET_L01_P322" (solid, pour order 322): 8.1,29.6
+3,3V on Top Layer "+3,3V_L01_P230" (solid, pour order 230): 54.597,57.597 56.757,55.557 58.257,57.057 56,59.25 55,59.25
no net on Top Layer "NONET_L01_P286" (solid, pour order 286): 105.6,11.5
no net on Top Layer "NONET_L01_P284" (solid, pour order 284): 104.5,15.8
+3,3V on Top Layer "+3,3V_L01_P252" (solid, pour order 252): 31.4,53.3 31.4,51.9 33.2,51.9 33.2,53.3
+3,3V on Top Layer "+3,3V_L01_P248" (solid, pour order 248): 38.4,59.25 37.35,59.25 30.685,52.585 33.2,51.9 38.4,57.2
+3,3V on Top Layer "+3,3V_L01_P242" (solid, pour order 242): 23,77.9 25,77.9 25,60.5 23,60.5
+3,3V on Top Layer "+3,3V_L01_P240" (solid, pour order 240): 23,61.3 23,60.3 31.4,51.9 32.306,51.9 33.229,53.021 24.95,61.3
+3,3V on Top Layer "+3,3V_L01_P238" (solid, pour order 238): 51.5,77.9 53.45,77.9 53.45,58 51.5,58
+3,3V on Top Layer "+3,3V_L01_P234" (solid, pour order 234): 81.4,77.8 83.5,77.8 83.5,57.8 81.4,57.8
+3,3V on Top Layer "+3,3V_L01_P228" (solid, pour order 228): 72.4,53.3 73.4,54.3 80,54.3 83.5,57.8 83.5,59 82.3,59 81.9,59 79.1,56.2 72.9,56.2 70,53.3
no net on Top Layer "NONET_L01_P220" (solid, pour order 220): 27.4,28.9
+3,3V on Top Layer "+3,3V_L01_P210" (solid, pour order 210): 55.587,21.713 49.5,27.8 49.5,29.3 51.2,29.3 58.356,22.144
no net on Top Layer "NONET_L01_P204" (solid, pour order 204): 22.7,7.755
GND on Bottom Layer "GND_L02_P422" (solid, pour order 422): 7.9,55.5 25.1,55.5 25.1,25.8 0,25.8 0,40 7.9,40
GND on Bottom Layer "GND_L02_P434" (solid, pour order 434): 19.4,15.4 19.4,26.1 25.1,26.1 25.1,30.097 25.5,30.1 25.5,15.4
GND on Bottom Layer "GND_L02_P484" (solid, pour order 484): 7.9,55.7 7.9,73.8 9.1,75 12.4,75 17.4,70 22.6,70 27.6,75 37.4,75 42.4,70 47.6,70 52.6,75 62.4,75 67.4,70 72.6,70 77.6,75 90,75 90,0 0,0 0,15.7 25.3,15.7 25.3,55.7
GND on Bottom Layer "GND_L02_P472" (solid, pour order 472): 90,75.25 77.5,75.25 72.5,70.25 69.1,70.25 69.1,90 90,90
+3,3V on Bottom Layer "+3,3V_L02_P298" (solid, pour order 298): 55.2,57 58.9,53.3 60.6,53.3 60.6,54.8 56.7,58.5
GND on Bottom Layer "GND_L02_P476" (solid, pour order 476): 57.8,75.25 52.5,75.25 47.5,70.25 44.1,70.25 44.1,90 57.8,90
GND on Bottom Layer "GND_L02_P480" (solid, pour order 480): 32.8,75.25 27.5,75.25 22.5,70.25 19.1,70.25 19.1,90 32.8,90
GND on Bottom Layer "GND_L02_P478" (solid, pour order 478): 32.2,75.25 37.5,75.25 42.5,70.25 45.9,70.25 45.9,90 32.2,90
GND on Bottom Layer "GND_L02_P482" (solid, pour order 482): 7.75,75.25 12.5,75.25 17.5,70.25 20,70.25 20,90 7.75,90
GND on Bottom Layer "GND_L02_P474" (solid, pour order 474): 57.2,75.25 62.5,75.25 67.5,70.25 70.9,70.25 70.9,90 57.2,90
GND on Bottom Layer "GND_L02_P432" (solid, pour order 432): 1.6,15.5 1.6,25.9 0,25.9 0,15.5
RTN on Bottom Layer "RTN_L02_P426" (solid, pour order 426): 1.6,15.9 1.6,25.6 19.4,25.6 19.4,25.4 19.4,15.9
GND on Bottom Layer "GND_L02_P364" (solid, pour order 364): 13,40 13,49.75 7.7,49.75 7.7,73.925 9,75.225 9,90 0,90 0,40
+3,3V on Bottom Layer "+3,3V_L02_P304" (solid, pour order 304): 31.7,53.2 31.7,41.5 32.9,41.5 32.9,53.2
+3,3V on Bottom Layer "+3,3V_L02_P302" (solid, pour order 302): 32.9,41.704 32.9,40.5 27.35,34.95 26.65,35.65 31.7,40.7 31.7,41.704
+3,3V on Bottom Layer "+3,3V_L02_P296" (solid, pour order 296): 60.6,36.4 53.1,36.4 52.3,35.6 52.3,33.1 54,33.1 54,34.4 54.2,34.6 60.6,34.6
+3,3V on Bottom Layer "+3,3V_L02_P294" (solid, pour order 294): 52.3,33.3 52.3,30.3 51.3,29.3 48.8,29.3 48.8,27.6 52,27.6 54,29.6 54,33.3

## Silkscreen, mask and mechanical layers (free items; w line width, h text height)
Top Overlay:
  lines w0.2: 11.275,59.835 28.725,59.835 ; 11.275,80.165 28.725,80.165 ; 15,2.725 15,1.025 25.003,1.025 25.003,2.725 ; 18.35,1.025 18.35,2.725 ; 21.653,1.025 21.653,2.725 ; 36.275,59.835 53.725,59.835 ; 36.275,80.165 53.725,80.165 ; 61.275,59.835 78.725,59.835 ; 61.275,80.165 78.725,80.165 ; 63.749,2.725 63.749,1.025 76.25,1.025 76.25,2.725 ; 66.875,1.025 66.875,2.725 ; 70,1.025 70,2.725 ; 73.124,1.025 73.124,2.725 ; 0,4.5 ccw(c4.5,4.5) 4.5,0 85.5,0 ccw(c85.5,4.5) 90,4.5 90,85.5 ccw(c85.5,85.5) 85.5,90 4.5,90 ccw(c4.5,85.5) 0,85.5 0,4.5
  text "+24V" at 11.8,78.48 h1.2
  text "+3,3V" at 25.15,78.48 h1.2
  text "+24V" at 36.8,78.48 h1.2
  text "+3,3V" at 50.15,78.48 h1.2
  text "+24V" at 61.8,78.48 h1.2
  text "+3,3V" at 75.15,78.48 h1.2
  text "GND" at 11.8,75.94 h1.2
  text "GND" at 25.7,75.94 h1.2
  text "GND" at 36.8,75.94 h1.2
  text "GND" at 50.7,75.94 h1.2
  text "GND" at 61.8,75.94 h1.2
  text "GND" at 75.7,75.94 h1.2
  text "nSLEEP" at 11.8,73.4 h1.2
  text "nSTALL" at 24,73.4 h1.2
  text "nSLEEP" at 36.8,73.4 h1.2
  text "nSTALL" at 49,73.4 h1.2
  text "nSLEEP" at 61.8,73.4 h1.2
  text "nSTALL" at 74,73.4 h1.2
  text "RESET" at 11.8,70.86 h1.2
  text "nFAULT" at 24,70.86 h1.2
  text "RESET" at 36.8,70.86 h1.2
  text "nFAULT" at 49,70.86 h1.2
  text "RESET" at 61.8,70.86 h1.2
  text "nFAULT" at 74,70.86 h1.2
  text "STEP/AIN1" at 11.8,68.32 h1.2
  text "MOSI" at 25.5,68.32 h1.2
  text "STEP/AIN1" at 36.8,68.32 h1.2
  text "MOSI" at 50.5,68.32 h1.2
  text "STEP/AIN1" at 61.8,68.32 h1.2
  text "MOSI" at 75.5,68.32 h1.2
  text "STEP" at 17.75,66.75 h2
  text "STEP" at 42.75,66.75 h2
  text "STEP" at 67.75,66.75 h2
  text "DIR/AIN1" at 11.8,65.78 h1.2
  text "nCS" at 26.1,65.78 h1.2
  text "DIR/AIN1" at 36.8,65.78 h1.2
  text "nCS" at 51.1,65.78 h1.2
  text "DIR/AIN1" at 61.8,65.78 h1.2
  text "nCS" at 76.1,65.78 h1.2
  text "MOTOR" at 16.75,65 h2
  text "MOTOR" at 41.75,65 h2
  text "MOTOR" at 66.75,65 h2
  text "BIN1" at 11.8,63.24 h1.2
  text "DRIVER 1" at 16,63.25 h2
  text "MISO" at 25.5,63.24 h1.2
  text "BIN1" at 36.8,63.24 h1.2
  text "DRIVER 2" at 41,63.25 h2
  text "MISO" at 50.5,63.24 h1.2
  text "BIN1" at 61.8,63.24 h1.2
  text "DRIVER 3" at 66,63.25 h2
  text "MISO" at 75.5,63.24 h1.2
  text "BIN2" at 11.8,60.7 h1.2
  text "SCK" at 25.9,60.7 h1.2
  text "BIN2" at 36.8,60.7 h1.2
  text "SCK" at 50.9,60.7 h1.2
  text "BIN2" at 61.8,60.7 h1.2
  text "SCK" at 75.9,60.7 h1.2
  text ".designation" at 89.5,59 h2 r90
  text "24V/3,3V" at 16,57.6 h2
  text "+3,3V" at 78.4,53.6 h1.2
  text "GND" at 81.4,53.6 h1.2
  text "XMIN" at 86.5,51.6 h1.2
  text "+24V" at 4,50.5 h1.2
  text "GND" at 9.7,50.5 h1.2
  text "XMAX" at 86.5,48.8 h1.2
  text "YMIN" at 86.5,46 h1.2
  text "YMAX" at 86.5,43.2 h1.2
  text "ZMIN" at 86.5,40.4 h1.2
  text "+24V" at 4,38.9 h1.2
  text "GND" at 9.7,38.9 h1.2
  text "ZMAX" at 86.5,37.6 h1.2
  text "POWER" at 4.75,37.25 h2
  text "+3,3V" at 78.41,35.625 h1.2
  text "GND" at 81.4,35.6 h1.2
  text "MCU" at 43.25,34.25 h2
  text "LIMIT" at 87.5,30 h2 r90
  text "SWITHES" at 89.25,28.25 h2 r90
  text "UART – RS-232" at 63.6,18.5 h2
  text "EFUSE" at 7.5,17.4 h2
  text "VDD" at 39,5.6 h1.2 r90
  text "SWCLK" at 41.6,5.6 h1.2 r90
  text "SWDIO" at 46.68,5.6 h1.2 r90
  text "nRST" at 49.22,5.6 h1.2 r90
  text "SWO" at 51.76,5.6 h1.2 r90
  text "GND" at 44.15,5.562 h1.2 r90
  text "POWER" at 8,2.5 h2
  text "nINT" at 15.5,1.5 h1.2
  text "GND" at 18.9,1.5 h1.2
  text "nKILL" at 21.9,1.5 h1.2
  text "GND" at 64.2,1.5 h1.2
  text "TXD" at 67.4,1.5 h1.2
  text "RXD" at 70.5,1.5 h1.2
  text "GND" at 73.6,1.5 h1.2
  text "CONTROL" at 6,0.75 h2
  text "RESET" at 28.5,0.75 h2
  text "SWD" at 43,0.75 h2
  text "ON/OFF" at 54.5,0.75 h2
  text "RS-232" at 77,0.75 h2
Bottom Overlay:
  text ".pcb_dec_number" at 89.5,74.9 h2 r90
Board:
  the board outline again, w0.2
Assembly Notes (Mech5):
  text "'.title'" at 0,-2.5 h2
  text "'.project'_'.pcb_dec_number'['.Pcb_File_Name_No_Path']" at 0,-6 h2